# Altium PCB hoanchinh.PcbDoc (continued)
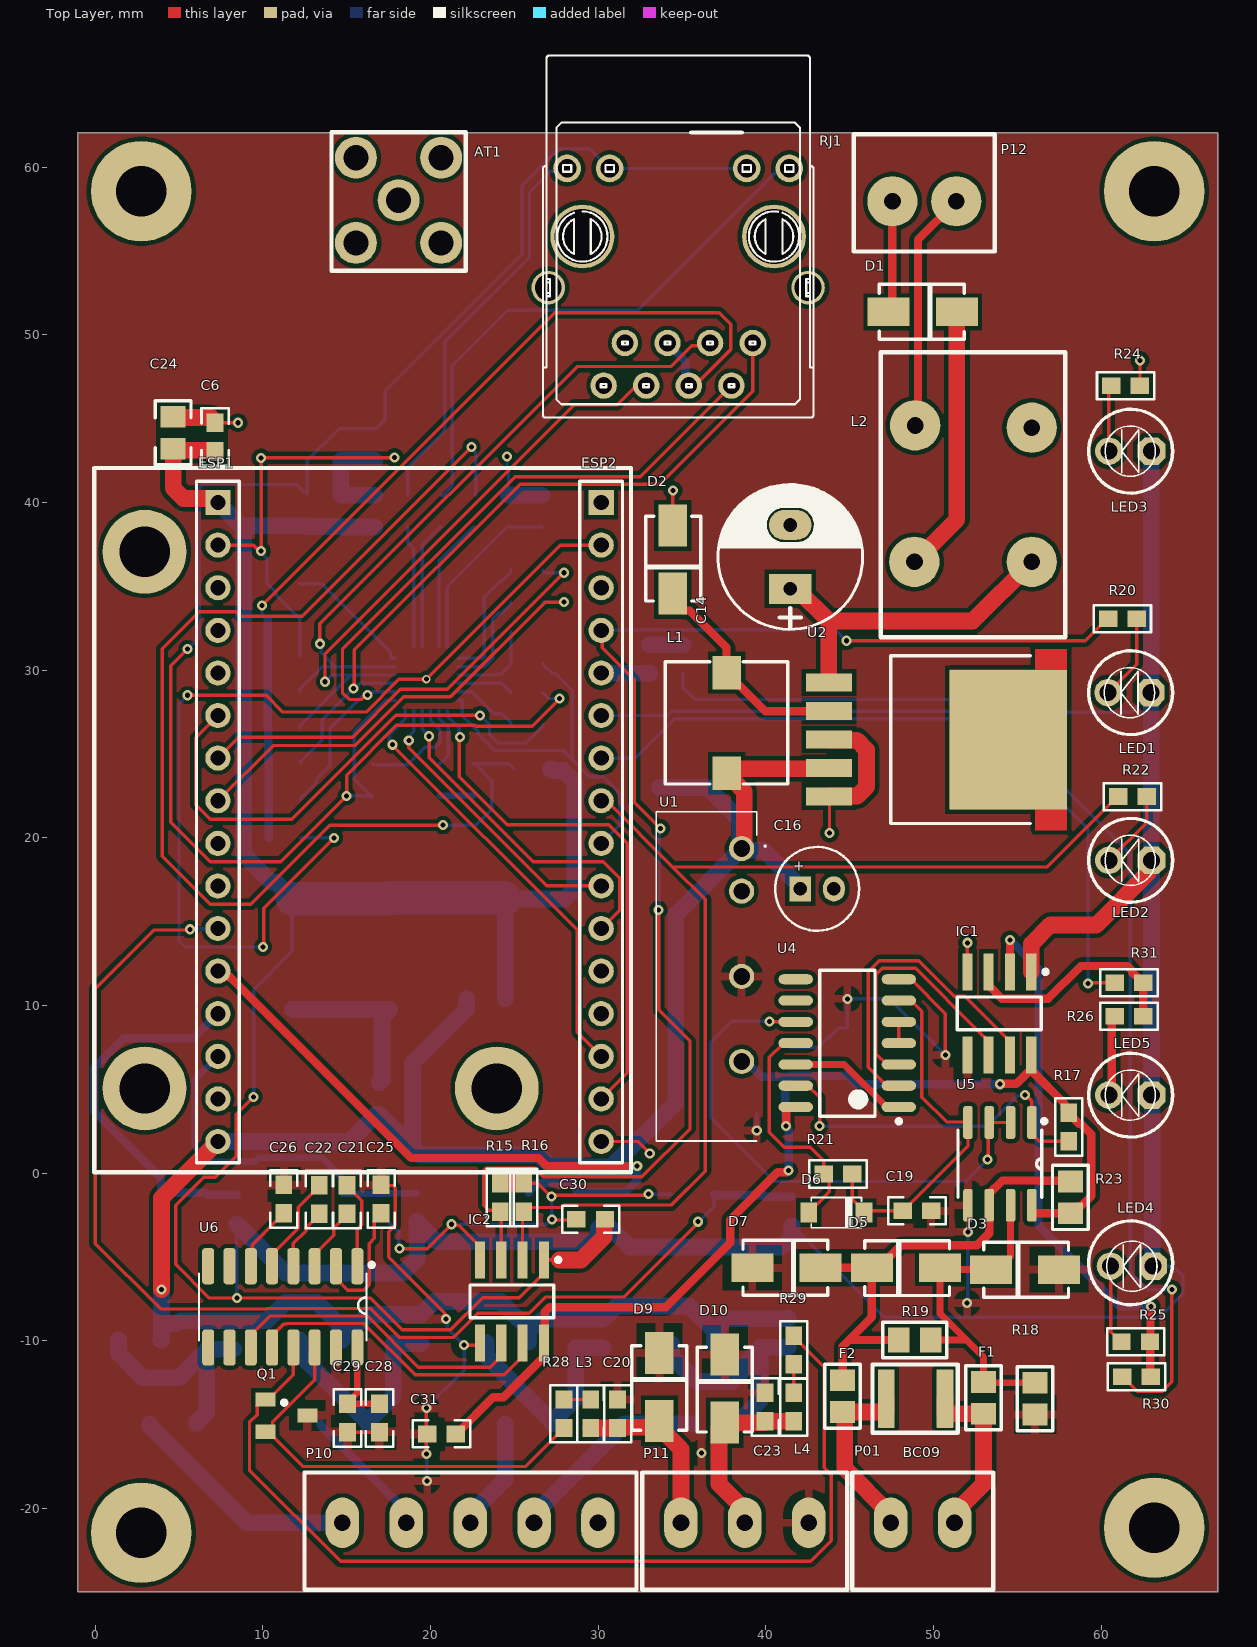
[diagram p0: Top Layer view]
## Footprints (in the part's own frame and the unit in brackets; to place one, negate y for a bottom-side part, rotate by r counter-clockwise, add the part's x,y. Pads: shape width x height; smd on the part's side, far side on the other; paste and mask are expansions set on the pad) (continued)
  rect 1.6x1.8 smd: 1(-1.4,0) 2(1.4,0)
  silkscreen extent -2.51,-1.21 2.51,1.21, body extent -1.55,-0.8 1.55,0.8, height 0.9
SOD-123 [mm] "SOD123, 2-Leads, Body 2.6x1.6mm, Pitch 3.05mm, IPC High Density"
  rect 1.2x1 smd: 1(0,-1.652) 2(0,1.652)
  silkscreen extent -0.9,-1.5 0.9,1.5, body extent -0.8,-1.85 0.8,1.85, height 1.27
SOIC14 [mm] "SOIC, 14-Leads, Body 8,64x3,87mm, Pitch 1,27mm, IPC Medium Density"
  oval 2.05x0.6 smd: 1(-3.075,3.81) 2(-3.075,2.54) 3(-3.075,1.27) 4(-3.075,0) 5(-3.075,-1.27) 6(-3.075,-2.54) 7(-3.075,-3.81) 8(3.075,-3.81) 9(3.075,-2.54) 10(3.075,-1.27) 11(3.075,0) 12(3.075,1.27) 13(3.075,2.54) 14(3.075,3.81)
  silkscreen extent -3.2,-4.35 1.65,4.78, body extent -3,-4.35 3,4.35, height 1.75
SOIC-8#1 [mm] "SOIC, 8-Leads, Body 5,0x4,0mm (max), Pitch 1,27mm, IPC Medium Density"
  rect 2.2x0.6 smd: 1(-2.475,1.905) 2(-2.475,0.635) 3(-2.475,-0.635) 4(-2.475,-1.905) 5(2.475,-1.905) 6(2.475,-0.635) 7(2.475,0.635) 8(2.475,1.905)
  silkscreen extent -2.6,-2.5 0.98,2.88, body extent -3.2,-2.5 3.2,2.5, height 1.75
SOIC-8#2 [mm] "SOIC-8"
  rrect49% 0.57x1.96 smd: 1(-1.905,-2.47) 2(-0.635,-2.47) 3(0.635,-2.47) 4(1.905,-2.47) 5(1.905,2.47) 6(0.635,2.47) 7(-0.635,2.47) 8(-1.905,2.47)
  silkscreen extent -2.77,-2.67 2.5,2, body extent -2.45,-3.08 2.45,2.92, height 1.63
SOIC-16 [mm] "Small Outline IC (SOIC), 1.27 mm pitch; 16 pin, 9.90 mm L X 4.00 mm W X 1.75 mm H body"
  rrect50% 0.72x2.16 smd: 1(-4.445,-2.425) 2(-3.175,-2.425) 3(-1.905,-2.425) 4(-0.635,-2.425) 5(0.635,-2.425) 6(1.905,-2.425) 7(3.175,-2.425) 8(4.445,-2.425) 9(4.445,2.425) 10(3.175,2.425) 11(1.905,2.425) 12(0.635,2.425) 13(-0.635,2.425) 14(-1.905,2.425) 15(-3.175,2.425) 16(-4.445,2.425)
  silkscreen extent -5.43,-2.62 4.98,2, body extent -4.95,-3 4.95,3, height 1.26
SOT23 [mm] "SOT 23 _ 1-3-2"
  rect 0.85x1.2 smd: 1(-0.94,-1.245) 2(0.985,-1.25) 3(0.005,1.25)
  silkscreen extent -0.88,-0.25 -0.64,0, body extent -1.47,-1.33 1.53,1.17, height 1.06
SOT-223-4 [mm]
  rect 1.3x2.54 smd: 1(-2.3,-3.048) 2(0,-3.048) 3(2.3,-3.048)
  rect 4.5x2.8 smd: 2(0,3.048)
  silkscreen extent -3.05,-1.42 3.05,1.3, body extent -3.25,-3.56 3.25,3.4, height 1.68
TO263-5 [mm] "LM2576-SMD"
  rect 1.07x2.75 smd: 1(-3.4,0) 2(-1.7,0) 3(0,0) 4(1.7,0) 5(3.4,0)
  rect 8.33x6.99 smd: 6(0,10.7)
  Top Layer region: -5.4,14.195 -5.4,12.295 -4.165,12.295 -4.165,7.205 4.165,7.205 4.165,12.295 5.4,12.295 5.4,14.195
  silkscreen extent -5,3.7 5,12, body extent -5,-1.29 5,14.38, height 4.79

## Part data
AT1: library part RFCON171003SF6B001, "CONNECTER ANTENNA GPS GSM", CompanyID=VT-00392, MPN=RFCON171003SF6B001, Solder=HAND
C1: library part UMK316BBJ106ML-T, "CAP CER 10uF 20% 50V X5R 1206", Category=CAPACITOR, CompanyID=VT-01137, MPN=UMK316BBJ106ML-T, PinCount=2, Solder=SMT
C2 C3 C4 C6 C7 C8 C9 C10 C11 C12 C13 C19 C20 C23 C30 C31: library part C0603C104K5RACTU, Category=CAPACITOR, CompanyID=VT-00982, MPN=C0603C104K5RACTU, PinCount=2, Solder=SMT
C5: library part CC1210KKX7R9BB105, "CAP CER 1UF 50V X7R 1210", MFR=Yageo, Category=CAPACITOR, MPN=CC1210KKX7R9BB105, PinCount=2, Solder=SMT
C14: library part CP4, "Cap 1000uF/16V - 220uF/50V", Description 1="2200uF-3300uF/6,3V - 1000uF-2200uF/10V", Description 2="1000uF/16V - 470uF => 1000uF/25V - 100uF/100V", Description 3=330uF>470uF/35V_220uF>470uF/50V_10uF>22uF/250V, Description 4="220uF => 330uF/63V - 10uF =>33uF/160 - 200V", Description 5="4,7uF>10uF/250V_3,3uF>10uF/400V - 2,2uF>4,7uF/450V"
C15: library part TPSD227K010R0050, "CAP TANT 220uF 10V 10% 2917 45mOhm ESR", Category=CAPACITOR, CompanyID=VT-00021, MPN=TPSD227K010R0050, PinCount=2, Solder=SMT
C16: library part 106CKR050M, "CAP ALUM 10uF 50V 20% RADIAL", Category=CAPACITOR, CompanyID=VT-00054, MPN=106CKR050M, PinCount=2, Solder=WAVE
C17: library part CL21B104JBCNNNC, "CAP CER 0.1uF 5% 50V X7R 0805", Category=CAPACITOR, CompanyID=VT-00725, MPN=CL21B104JBCNNNC, PinCount=2, Solder=SMT
C18 C21 C22 C25 C26 C28 C29: library part C0603C104K5RACTU, "CAP CER 0.1uF 50V 10% X7R 0603", Category=CAPACITOR, CompanyID=VT-00982, MPN=C0603C104K5RACTU, PinCount=2, Solder=SMT
C24: library part 0805C225K8PAC7800, "CAP CER 2.2uF 10% 10V X5R 0805", Category=CAPACITOR, CompanyID=VT-00292, MPN=0805C225K8PAC7800, PinCount=2, Solder=SMT
C27: library part TAJD107K016RNJ, "CAP TANT 100uF 16V 10% 2917", Category=CAPACITOR, CompanyID=VT-00022, MPN=TAJD107K016RNJ, PinCount=2, Solder=SMT
C32 C33 C34 C35 C36 C37 C38 C39 C40 C41 C42: library part "CAP CERA 0805", "CERAMIC CAP 0805"
D1: "DIODE SCHOTTKY 40V 3A SMA", MPN=SS34, Solder=SMT
D2: library part SS34, "DIODE SCHOTTKY 40V 3A SMA", MPN=SS34, Solder=SMT
D3 D5 D7: "DIODE TVS 5VWM 9.2VC SMA", CompanyID=VT-00317, MPN=SMAJ5.0A-E3/61, Solder=SMT
D6: library part 1N4148-W-7, "DIODE GEN PURP 100V 300MA SOD123", MFR="Diodes Incorporated", MPN=1N4148W-7-F, Solder=SMT
D8: library part LED_WHITE_0603
ESP1 ESP2: "Header, 16-Pin", LatestRevisionDate=17-Jul-2002, LatestRevisionNote="Re-released for DXP Platform.", Publisher="Altium Limited"
F1 F2: library part MF-RX250/72-2, CompanyID=VT-xxxx, MPN=MF-RX250/72-2, Solder=SMT
L1: library part L-SMD-1, Inductance="1.0 μH", Manufacturer="Wurth Elektronik", partNo=78477010, ComponentLink1Description=Manufacturer, ComponentLink1URL=http://www.we-online.de, ComponentLink2Description=Datasheet, ComponentLink2URL=http://katalog.we-online.de/pbs/datasheet/78477010.pdf, Created by="Baojun Chen", Created Date=Nov.2015
L2: library part DLW5BSN102SQ2L, "IND- CMC 1.5A 2LN 1 KOHM SMD", Category=INDUCTOR, CompanyID=VT-00918, MPN=DLW5BSN102SQ2L, Solder=SMT
L3 L4: library part LQM18PN2R2MFHD, "FIXED IND 2.2UH 700MA 375 MOHM", MFR="Murata Electronics", Category=INDUCTOR, MPN=LQM18PN2R2MFHD, Solder=SMT
L5: library part 742792042, "IND-FERRITE BEAD 600 OHM 1LN 0805", Category="FERRITE BEAD", CompanyID=VT-01115, MPN=742792042, PinCount=2, Solder=SMT
LED1 LED2 LED3 LED4 LED5: "LED Single colour Green and Red"
OK1 OK2 OK3 OK4: library part HCPL-817-500E, "OPTOISOLATOR 5KV TRANSISTOR 4SMD", CompanyID=VT-00147, MPN=HCPL-817-500E, Solder=SMT
R1 R4 R7 R8 R15 R16 R17 R21 R28 R29: library part RC0603FR-074K7L, "RES SMD 4.7K OHM 1% 1/10W 0603", Category=RESISTOR, CompanyID=VT-00327, MPN=RC0603FR-074K7L, Solder=SMT
R2 R5 R9 R10 R20 R22 R24 R25 R26 R27: library part RC0603FR-0710KL, "RES SMD 10K OHM 1% 1/10W 0603", Category=RESISTOR, CompanyID=VT-00328, MPN=RC0603FR-0710KL, Solder=SMT
R3 R6 R11 R12: library part RC1206JR-070RL, "RES SMD 0.0 OHM JUMPER 1/4W 1206", Category=RESISTOR, CompanyID=VT-01082, MPN=RC1206JR-070RL, Solder=SMT
R18 R19 R23: library part RC0805FR-0710KL, "RES SMD 10K OHM 1% 1/8W 0805", Category=RESISTOR, CompanyID=VT-00007, MPN=RC0805FR-0710KL, Solder=SMT
R30 R31: library part CRCW060320R0FKEA, "RES SMD 20 OHM 1% 1/10W 0603", Category=RESISTOR, CompanyID=VT-01023, MPN=CRCW060320R0FKEA, Solder=SMT
R32 R33 R34 R35 R36 R37 R40 R41 R42 R43 R44 R45 R46 R47 R48 R49: library part RES-0805, "RES SMD 249K OHM 1% 1/10W 0805", Manufacturer=Yageo, Manufacturer Part Number=RC0603FR-07249KL, Operating Temperature="-55°C ~ 155°C", Package / Case="0603 (1608 Metric)", Power (Watts)="0.1W, 1/10W", Supplier Device Package=0603, Temperature Coefficient=±100ppm/°C, Tolerance=±1%, Category=Resistors, ComponentLink1Description=http://www.yageo.com/documents/recent/PYu-RC_Group_51_RoHS_L_8.pdf, ComponentLink1URL=http://www.yageo.com/documents/recent/PYu-RC_Group_51_RoHS_L_8.pdf, Composition="Thick Film", Failure Rate=-, Features="Moisture Resistant", Height - Seated (Max)="0.022\" (0.55mm)", Packaging="Cut Tape (CT)", Part Status=Active, Pricing 1="1=0.1, 10=0.015, 100=0.006, 1000=0.00268, 2500=0.00233 (USD)", RoHS="RoHS Compliant", Size / Dimension="0.063\" L x 0.032\" W (1.60mm x 0.80mm)", Stock 1=370515, Supplier 1=Digi-Key
RJ1: library part RJ45_2
U2: "SIMPLE SWITCHER Power Converter 150 KHz 3A Step-Down Voltage Regulator", MPN=LM2596SX-ADJ/NOPB, Category=IC, Solder=SMT
U3: library part TLV1117LV5.0, "IC REG LINEAR 5V 800MA SOT223-4", MFR="Texas Instruments", MPN=TLV1117-50CDCYR, Category=IC, Solder=SMT
U4: "IC, M74HC04M, Hex Inverter, SO-14", Text Field1=ST, Text Field2=M74HC04M1R, Text Field3=Mouser, Text Field4=511-M74HC04M, Text Field5=SO-14, Text Field6=.22
U5: library part MAX485CSA, "Low-Power, Slew-Rate-Limited RS-485/RS-422 Transceiver", MPN=MAX3485ESA, Category=IC, Solder=SMT
U6: library part "MAX3232CDRE4, MAX3232CDR", "IC DRVR/RCVR MULTCH RS232 16SOIC", Category=IC, MPN="MAX3232CDRE4, MAX3232CDR", Solder=SMT
Y1: library part AU-25.000MBE-T, "XTAL OSC XO 25.0000MHZ CMOS SMD", Category=CRYSTAL, MPN=AU-25.000MBE-T, PinCount=4, Solder=SMT

## Free pads (board coordinates)
  round 6 hole 3: ""(2.75,-21.445) ""(2.75,58.555) ""(63.15,-21.145) ""(63.15,58.555)
  round 5 hole 3: ""(2.95,5.055) ""(2.95,37.055) ""(23.95,5.055)

## Via types
v1: diameter 0.6, hole 0.3, Top Layer to Bottom Layer, 66 vias
v2: diameter 0.5, hole 0.3, Top Layer to Bottom Layer, 1 vias

## Nets (pads, with @x,y where several pads share a name; then routed paths per layer and width w, separated by ;. In a path a pad name is that pad's centre, name@x,y a point inside that pad or via, vN(x,y) a via of type N, cw(c..) or ccw(c..) an arc to the next point about the centre after c; other vN are vias at no path point)
AVDD: C35.1 C36.1 L5.1 R40.1 R43.2 RJ1.9 RJ1.12 U7.19 | length 106.3
  Top Layer w0.2: v1(5.5,31.25) 4.5,30.25 4.5,20.93 6.86,18.57 11.07,18.57 v1(15,22.5) 15,23.743 17.963,26.705 22.631,26.705 22.681,26.655 26.05,26.655 v1(27.7,28.305)
  Bottom Layer w0.2: v1(5.5,31.25) 6.197,31.947 6.197,40.051 6.215,40.07 6.215,40.885 6.42,41.09 8.21,41.09 12,41.055 L5.1 12.65,42.505 14.55,44.405 C36.1 C35.1 16.75,44.405 17.3,44.955 17.3,46.655 25.45,54.805 25.45,58.887 27.654,61.09 29.505,61.09 RJ1.12 RJ1.9 ; v1(15,22.5) 16.455,22.5 16.5,22.455 15.45,23.505 15.45,26.34 17.318,28.207 U7.19 ; R43.2 27.05,28.305 v1(27.7,28.305)
Door1_Sensor: C9.2 ESP1.12 OK2.4 R4.1 | length 38
  Top Layer w0.5: ESP1.12 7.586,12.05 7.954,11.682 8.068,11.682 18.845,0.905 26.444,0.905 26.917,0.432 v1(32.323,0.432)
  Bottom Layer w0.5: OK2.4 25.857,-1.057 26.319,-0.595 28.3,-0.595 28.75,-1.045 C9.2 28.8,-1.145 31.6,-1.145 32.304,-0.441 32.304,0.413 v1(32.323,0.432)
Door2_Sensor: C12.2 ESP1.11 OK3.4 R7.1 | length 71.9
  Top Layer w0.2: v1(5.65,14.545) 5.605,14.5 3.5,14.5 0,11 0,-4.197 3.898,-8.095 10.224,-8.095 10.254,-8.065 16.403,-8.065 18.133,-9.795 21.375,-9.795 22.808,-8.362 25.873,-8.362 26.85,-7.386 31.509,-7.386 35.95,-2.945 v1(35.95,-2.895)
  Bottom Layer w0.2: v1(5.65,14.545) 5.673,14.568 7.293,14.568 ESP1.11 ; v1(35.95,-2.895) 35.985,-2.895 36.917,-1.962 OK3.4
  Bottom Layer w0.5: OK3.4 36.991,-1.321 39.876,-1.321 C12.2 R7.1
GND: C1.1 C2.1 C4.1 C6.2 C9.1 C12.1 C13.1 C14.2 C15.2 C16.2 C17.2 C24.1 C27.2 C30.2 C32.2 C33.2 C34.2 C35.2 C36.2 C37.2 C38.2 C39.2 C40.2 C41.2 C42.2 D2.1 ESP1.2 ESP2.2 ESP2.16 IC1.4 IC2.4 L2.3 OK1.3 OK2.3 OK3.3 OK4.3 P10.1 R15.1 R16.1 R24.2 R49.1 RJ1.8 U1.2 U2.3 U2.5 U3.1 U7.@19.75,29.455 Y1.2 | length 156.9
  Top Layer w0.2: v1(5.5,28.5) 10.192,28.5 11.192,27.5 16.154,27.5 18.111,29.457 v2(19.749,29.457) 27.742,37.45 ESP2.2 ; C6.2 8.505,44.755 v1(8.51,44.75) ; ESP1.2 9.442,37.45 9.792,37.1 v1(9.9,37.1) v1(9.9,42.65) 9.909,42.659 17.835,42.659 v1(17.843,42.667) ; v1(10.01,13.49) 10.059,13.539 10.059,15.809 v1(14.25,20) ; v1(18.15,-4.5) 19.795,-4.5 v1(21.25,-3.045) 21.327,-3.121 21.697,-3.121 22.945,-4.37 IC2.4 ; R16.1 26.404,-0.595 v1(27.204,-1.395) 27.279,-1.32 32.927,-1.32 v1(33,-1.247) ; v1(27.25,-2.75) 27.295,-2.795 28.65,-2.795 C30.2 ; ESP2.16 32.36,1.89 v1(33.071,1.179) ; D2.1 v1(34.45,40.7) ; v1(43.785,20.285) U2.5@43.785,22.49 ; IC1.4 v1(52.01,13.74) ; R24.2 v1(62.3,48.45)
  Top Layer w1: C24.1 4.795,45.25 4.795,45.16 4.9,45.055 6.9,45.055 7.15,44.805 C6.2 ; R15.1 R16.1 ; U2.3 43.785,25.82 45.414,25.82 46,25.234 46,23.041 45.449,22.49 U2.5@43.785,22.49
  Bottom Layer w0.2: v1(5.5,28.5) 5,28 5,13.831 5.341,13.49 v1(10.01,13.49) ; v1(9.9,37.1) 9.9,36.991 10.25,36.641 R49.1 10.8,34.605 10.8,34.455 12.2,33.055 C32.2 C33.2 ; C34.2 12.295,20 v1(14.25,20) ; C35.2 16.812,42.667 v1(17.843,42.667) ; C17.2 C17.2@16.95,5.405 ; C13.1 17.524,-2.977 17.924,-3.377 17.974,-3.377 18.1,-3.503 18.1,-4.45 v1(18.15,-4.5) ; v1(21.25,-3.045) 26.933,-3.045 27.228,-2.75 v1(27.25,-2.75) ; v1(24.561,42.73) 24.561,42.115 24.645,42.03 C39.2 ; v1(27.204,-1.395) 27.227,-1.418 27.227,-2.727 v1(27.25,-2.75) ; C9.1 27.295,-2.795 v1(27.25,-2.75) ; v1(33,-1.247) OK3.3
  Bottom Layer w1: C27.2 C15.2 17.1,9.305 17.1,5.555 C17.2@16.95,5.405 ; C41.2 C42.2 C36.2 C35.2 ; C39.2 C38.2
GND_ISO: C5.2 C7.1 C18.2 C19.2 C20.1 C23.2 C25.1 C26.2 C28.1 C29.1 C31.1 D3.1 D7.1 D9.2 D10.2 IC1.5 IC2.5 P11.1 Q1.3 R18.2 U1.4 U4.7 U5.5 U6.15 | length 50.1
  Top Layer w0.2: C26.2 C26.2@11.25,-0.645 ; C29.1 C28.1 ; C25.1 17.089,-0.733 17.733,-0.733 17.9,-0.9 17.9,-3.09 17.5,-3.49 17.5,-5 20.843,-8.343 20.843,-8.618 v1(20.92,-8.695) ; v1(19.75,-16.75) 19.75,-15.595 C31.1 19.75,-15.495 v1(19.75,-14) ; v1(22,-10.25) 22.815,-10.25 IC2.5 ; U4.7 48.65,11.565 50.7,9.515 v1(50.7,7.055) ; v1(52.045,-3.495) U5.5
  Bottom Layer w0.2: v1(19.75,-16.75) 19.775,-16.775 19.775,-18.32 v1(19.8,-18.345) ; v1(19.75,-14) 22,-11.75 v1(22,-10.25) 20.996,-9.246 20.996,-8.771 v1(20.92,-8.695) ; v1(39.45,2.555) C7.1 ; C18.2 43.15,7.505 44.3,8.655 C5.2 v1(44.85,10.4) 47.356,10.4 v1(50.7,7.055) ; v1(52,-7.75) 52.023,-7.727 52.023,-3.518 v1(52.045,-3.495)
  other v1: 36.15,-16.695
HSPI_CLK: ESP1.5
HSPI_CS: ESP2.3
HSPI_MISO: ESP1.4
HSPI_MOSI: ESP1.3
I2C_SCL: ESP1.10
I2C_SDA: ESP1.9
IO16: ESP2.6 R30.1 | length 72.1
  Top Layer w0.2: R30.1 61.3,-12.145 62.15,-12.995 63.645,-12.995 64.2,-12.44 v1(64.2,-6.945)
  Bottom Layer w0.2: ESP2.6 34.104,27.29 34.369,27.555 53.213,27.555 61.726,19.042 61.726,-5.914 62.757,-6.945 v1(64.2,-6.945)
IO17: ESP2.7 R31.1 | length 43.6
  Top Layer w0.2: v1(59.2,11.305) 59.25,11.355 R31.1
  Bottom Layer w0.2: ESP2.7 32.2,24.75 34.555,27.105 52.645,27.105 59.2,20.55 v1(59.2,11.305)
IR_Sensor: C4.2 ESP1.13 OK1.4 R1.1 | length 22.7
  Bottom Layer w0.5: ESP1.13 5.86,8.055 1.708,8.055 -0.05,6.298 -0.05,3.691 3.926,-0.285 OK1.4 4.222,-1.331 4.336,-1.445 4.336,-1.217 4.388,-1.165 6.62,-1.165 C4.2 R1.1
Keycard_Input: C13.2 ESP1.14 OK4.4 R8.1 | length 21.2
  Bottom Layer w0.4: ESP1.14 5.95,5.605 5.95,1.55 6.81,0.69 9.545,0.69 9.773,0.919 13.53,0.919 14.73,-0.281 OK4.4 ; OK4.4@14.73,-1.227 OK4.4 ; R8.1 19.15,-1.202 17.55,-1.202 C13.2 14.926,-1.227 OK4.4
LAN_CRS_DV: ESP1.6 R44.2 | length 31
  Top Layer w0.2: ESP1.6 6,25.975 6,21.97 6.86,21.11 11.731,21.11 17.926,27.305 v1(22.95,27.305)
  Bottom Layer w0.2: v1(22.95,27.305) 23.516,26.739 23.516,26.144 24.005,25.655 25.7,25.655 26.7,26.655 R44.2
LAN_MDC: ESP2.15 U7.13 | length 31.8
  Top Layer w0.2: v1(21.75,26) 21.7,25.95 21.7,23.636 24.566,20.77 30.631,20.77 31.725,19.676 31.725,5.98 ESP2.15
  Bottom Layer w0.2: U7.13 20.999,27.251 21.718,26.532 21.718,26.032 v1(21.75,26)
LAN_MDIO: ESP2.9 R47.2 U7.12 | length 22.6
  Bottom Layer w0.2: U7.12 21.886,28.207 21.886,27.288 22.853,26.322 22.853,26.171 23.819,25.205 27.913,25.205 28.457,24.662 ; R47.2 26.7,30.355 27.25,29.805 27.445,29.805 28.457,28.794 28.457,24.662 ; ESP2.9 31.275,20.77 31.275,22.666 30.291,23.65 29.468,23.65 28.457,24.662
LAN_RXD0: ESP1.8 R42.2 | length 26.8
  Top Layer w0.2: ESP1.8 10.605,25.5 15.485,25.5 18.392,28.407 21.189,28.407 26.837,34.055 v1(27.95,34.055)
  Bottom Layer w0.2: R42.2 v1(27.95,34.055)
LAN_RXD1: ESP1.7 R41.2 | length 26.5
  Top Layer w0.2: ESP1.7 8.565,26 15.348,26 18.205,28.857 21.002,28.857 v1(27.95,35.805)
  Bottom Layer w0.2: R41.2 26.85,35.805 v1(27.95,35.805)
LAN_TX_EN: ESP2.11 U7.16 | length 20.8
  Top Layer w0.2: v1(19.918,26.055) 19.918,24.782 26.13,18.57 30.291,18.57 31.275,17.586 31.275,15.69 ESP2.11
  Bottom Layer w0.2: U7.16 19.499,26.485 19.918,26.066 v1(19.918,26.055)
LAN_TXD0: ESP2.10 U7.17 | length 17.2
  Top Layer w0.2: v1(18.7,25.805) 18.704,25.802 18.704,25.36 26.933,17.13 ESP2.10
  Bottom Layer w0.2: v1(18.7,25.805) 18.777,25.882 18.777,26.127 18.999,26.349 U7.17
LAN_TXD1: ESP2.14 U7.18 | length 26.3
  Top Layer w0.2: v1(17.727,25.55) 17.727,25.529 28.75,14.505 28.75,8.395 ESP2.14
  Bottom Layer w0.2: v1(17.727,25.55) 17.705,25.55 17.534,25.721 17.534,25.874 17.527,25.882 17.527,26.132 18.2,26.805 18.499,27.104 U7.18
"LED A": R36.1 U7.2 | length 7.3
  Bottom Layer w0.2: R36.1 18.648,37.607 18.999,37.257 U7.2
"LED B": R37.1 U7.3 | length 7.7
  Bottom Layer w0.2: U7.3 19.499,37.482 20.547,38.53 R37.1
LED_IND: ESP2.5 R27.2 | length 2.9
  Bottom Layer w1: ESP2.5 30.188,29.818 33.05,29.818 R27.2
NetC3_1: C3.1 OK1.2 R2.1 R3.2 | length 13.6
  Bottom Layer w1: OK1.2 1.386,-10.726 2.866,-12.205 5.001,-12.205 R2.1@6.659,-10.547 ; R3.2 6.05,-14.845 6.659,-14.236 R2.1@6.659,-10.547 ; C3.1 R2.1 R2.1@6.659,-10.547
NetC8_1: C8.1 OK2.2 R5.1 R6.2 | length 13.2
  Bottom Layer w1: OK2.2 23.317,-10.912 R6.2@27.25,-14.845 ; R6.2 R6.2@27.25,-14.845 ; C8.1 R5.1 28.651,-13.444 R6.2@27.25,-14.845
NetC10_1: C10.1 OK3.2 R9.1 R11.2 | length 14.5
  Bottom Layer w1: OK3.2 34.377,-10.938 35.857,-12.417 37.978,-12.417 38.685,-11.71 38.685,-11.412 R9.1@39.665,-10.432 ; R11.2 38.35,-14.845 39.665,-13.53 R9.1@39.665,-10.432 ; C10.1 41.316,-10.382 R9.1 R9.1@39.665,-10.432
NetC11_1: C11.1 OK4.2 R10.1 R12.2 | length 13.7
  Bottom Layer w1: OK4.2 12.19,-10.785 R12.2@16.25,-14.845 ; R12.2 R12.2@16.25,-14.845 ; R10.1 R10.1@17.778,-10.166 ; C11.1 R10.1@17.778,-10.166 ; R12.2@16.25,-14.845 17.778,-13.317 R10.1@17.778,-10.166
NetC19_1: C19.1 D6.2 R21.1 U4.6 U5.4 | length 22
  Top Layer w0.2: R21.1 45.15,-1.545 45.85,-2.245 D6.2 45.95,-2.245 C19.1 48.2,-2.245 52.045,1.6 U5.4 52.015,3.055 50.781,3.055 49.3,4.536 49.3,9.645 48.65,10.295 U4.6
NetC21_1: C21.1 U6.3 | length 3.9
  Top Layer w0.2: U6.3 13.09,-4.825 14.217,-3.698 14.217,-3.273 15.018,-2.472 C21.1
NetC21_2: C21.2 U6.1 | length 5.3
  Top Layer w0.2: C21.2 15.018,-0.772 15.9,-1.654 15.9,-3.085 15.63,-3.355 U6.1
NetC22_1: C22.1 U6.4 | length 3.8
  Top Layer w0.2: U6.4 11.82,-4.191 12.55,-3.461 12.55,-3.289 13.367,-2.472 C22.1
NetC22_2: C22.2 U6.5 | length 6
  Top Layer w0.2: U6.5 10.55,-4.825 12.1,-3.275 12.1,-2.039 13.367,-0.772 C22.2
NetC25_2: C25.2 U6.2 | length 7.7
  Top Layer w0.2: U6.2 14.36,-6.265 15.07,-6.975 16.03,-6.975 16.34,-6.664 16.34,-4.199 16.65,-3.889 16.65,-2.795 C25.2
NetC26_1: C26.1 U6.6 | length 4
  Top Layer w0.2: U6.6 9.363,-5.462 9.363,-4.282 10.8,-2.845 10.85,-2.845 11.25,-2.445 C26.1
NetC28_2: C28.2 C29.2 U6.16 | length 5.5
  Top Layer w0.4: U6.16 15.63,-13.115 15.05,-13.695 C29.2 C28.2
NetC32_1: C32.1 C33.1 C34.1 R32.2 R33.2 R34.2 R35.2 RJ1.4 RJ1.5 | length 57.5
  Top Layer w0.2: v1(9.95,33.855) 27.4,51.305 37.2,51.305 37.892,50.614 37.892,49.118 35.739,46.965 RJ1.4
  Bottom Layer w0.2: v1(9.95,33.855) 9.95,33.305 C32.1
  Bottom Layer w0.5: C32.1 C33.1 R32.2 R33.2 10.325,26.53 10.325,24.48 R34.2 R35.2 C34.1 ; RJ1.5 34.13,49.46 35.195,48.395 35.195,47.171 RJ1.4
NetC38_1: C38.1 C39.1 U7.6 | length 10.8
  Bottom Layer w0.2: U7.6 20.999,34.984 24.545,38.53 C39.1 C38.1
NetC40_1: C40.1 R47.1 U7.9 | length 5.3
  Bottom Layer w0.2: U7.9 23.957,29.707 24.005,29.755 24.2,29.755 24.8,30.355 R47.1 C40.1
NetD2_2: D2.2 L1.1 U2.2 | length 13.4
  Top Layer w0.5: D2.2 34.45,34.155 35.05,33.555 35.45,33.555 37.65,31.355 L1.1 37.65,29.705 38.25,29.105 38.4,29.105 39.95,27.555 U2.2
NetD3_2: D3.2 D5.1 F1.1 R18.1 R19.2 U5.7 | length 20.7
  Top Layer w0.4: R19.2 51.95,-9.945 ; U5.7 54.585,-4.977 53.818,-5.745 D3.2 50.483,-5.745 D5.1 50.383,-8.377 51.95,-9.945 ; R18.1 53.023,-12.495 F1.1 52.973,-10.967 51.95,-9.945
NetD5_2: D5.2 D7.2 F2.1 R19.1 R23.2 U5.6 | length 28.9
  Top Layer w0.5: D7.2 D5.2 ; F2.1 44.573,-10.322 44.95,-9.945 ; R19.1 44.95,-9.945 ; R23.2 58.1,-0.445 56.276,-0.445 56.266,-0.435 54.1,-0.435 53.315,-1.22 U5.6 53.315,-3.58 52.6,-4.295 48.068,-4.295 46.718,-5.645 D5.2 ; 44.95,-9.945 46.318,-8.577 D5.2
NetD6_1: D6.1 R21.2 U4.11 | length 14.1
  Top Layer w0.2: U4.11 41.05,7.755 40.2,6.905 40.2,2.442 41.087,1.555 42.65,1.555 43.45,0.755 R21.2 43.772,-0.367 43.772,-1.119 43.046,-1.845 42.946,-1.845 42.546,-2.245 D6.1
NetD8_2: D8.2 R27.1 | length 2
  Bottom Layer w1: R27.1 D8.2
NetL3_1: L3.1 R28.2 | length 1.6
  Top Layer w0.2: R28.2 L3.1
NetL4_1: L4.1 R29.2 | length 1.7
  Top Layer w0.2: L4.1 R29.2
NetLED1_2: LED1.2 R20.1 | length 5.1
  Top Layer w0.2: LED1.2 62.1,30.348 R20.1
NetLED2_2: LED2.2 R22.1 | length 4.7
  Top Layer w0.2: LED2.2 62.7,20.905 R22.1
NetLED3_2: LED3.2 R24.1 | length 4
  Top Layer w0.2: LED3.2 60.45,46.805 R24.1
NetLED4_2: LED4.2 R25.1 | length 4.8
  Top Layer w0.2: LED4.2 60.55,-9.445 61.15,-10.045 R25.1
NetLED5_2: LED5.2 R26.1 | length 4.8
  Top Layer w0.5: LED5.2 60.625,4.83 60.625,9.18 R26.1
NetQ1_1: Q1.1 R29.1 U6.13 | length 59.2
  Top Layer w0.2: U6.13 11.82,-12.01 10.331,-13.5 Q1.1 9.981,-13.5 9.656,-13.825 9.656,-14.4 9.2,-14.855 9.2,-17.714 14.631,-23.145 42.66,-23.145 43.9,-21.904 43.9,-18.007 43.473,-17.58 43.473,-11.567 41.65,-9.745 R29.1
NetQ1_2: Q1.2 R28.1 U6.14 | length 25.8
  Top Layer w0.2: Q1.2 Q1.2@10.325,-15.425 ; U6.14 13.09,-12.305 10.578,-14.817 10.578,-15.173 Q1.2@10.325,-15.425 ; R28.1 27.95,-15.245 27.55,-15.645 27.5,-15.645 25.65,-17.495 12.395,-17.495 Q1.2@10.325,-15.425
NetR17_1: R17.1 U4.13 U5.1 | length 21.3
  Top Layer w0.2: U4.13 42.5,5.215 43.2,4.515 v1(43.2,2.805) ; v1(55.45,4.658) 55.503,4.658 55.855,4.305 U5.1 55.855,2.352 56.302,1.905 R17.1
  Bottom Layer w0.2: v1(43.2,2.805) 53.2,2.805 55.027,4.632 55.425,4.632 v1(55.45,4.658)
NetR36_2: R36.2 RJ1.11 | length 23.9
  Bottom Layer w0.2: R36.2 18.648,42.084 20.847,44.283 20.847,49.566 25.9,54.619 25.9,58.505 27.133,59.737 27.963,59.737 RJ1.11
NetR37_2: R37.2 RJ1.10 | length 33
  Bottom Layer w0.2: R37.2 20.747,40.43 21.297,40.98 21.297,48.152 24.6,51.455 32.35,51.455 40.533,59.638 41.113,59.638 RJ1.10
NetR41_1: R41.1 U7.7 | length 7.5
  Bottom Layer w0.2: U7.7 23.083,30.707 23.2,30.824 23.2,34.35 24.155,35.305 24.25,35.305 24.8,35.855 R41.1
NetR42_1: R42.1 U7.8 | length 6.2
  Bottom Layer w0.2: U7.8 23.22,30.207 23.7,30.688 23.7,33.05 24.055,33.405 24.25,33.405 24.8,33.955 R42.1
NetR44_1: R44.1 U7.11 | length 4
  Bottom Layer w0.2: U7.11 22.468,28.707 23.77,27.405 24.25,27.405 24.8,26.855 R44.1
NetR46_1: R46.1 R48.2 Y1.3 | length 67.9
  Top Layer w0.2: v1(20.75,20.75) 14,20.75 9.28,16.03 6.86,16.03 4,18.89 4,31.274 6.196,33.47 8.407,33.47 8.672,33.205 12.35,33.205 v1(22.45,43.305)
  Bottom Layer w0.2: v1(20.75,20.75) 22.69,20.75 23.65,21.71 23.65,23.405 R46.1@22.65,24.405 ; v1(22.45,43.305) 22.45,43.197 22.7,42.947 22.7,40.484 R48.2 ; R46.1 R46.1@22.65,24.405 ; Y1.3 24.65,24.405 R46.1@22.65,24.405
NetR48_1: R48.1 U7.5 | length 8.1
  Bottom Layer w0.2: U7.5 20.499,36.483 22.546,38.53 R48.1
NetR49_2: R49.2 U7.24 | length 7.8
  Bottom Layer w0.2: R49.2 13.52,35.155 17.611,31.063 17.611,30.707 U7.24
NetU4_10: U4.10 U5.2 U5.3 | length 32.3
  Top Layer w0.2: v1(40.2,9.055) 40.23,9.025 U4.10 ; v1(53.2,0.805) 53.258,0.863 53.258,2.968 U5.3 U5.2
  Bottom Layer w0.2: v1(40.2,9.055) 37.95,9.055 36.7,7.805 36.7,3.305 40.5,-0.495 51.9,-0.495 v1(53.2,0.805)
nRST: C37.1 R40.2 U7.15 | length 6.7
  Bottom Layer w0.2: R40.2 16.6,24.355 18.65,24.355 19.45,25.155 19.45,25.2 19.655,25.405 20.285,25.405 20.568,25.688 20.568,26.41 19.999,26.978 U7.15
R_RXCLK: R45. R46.2 | length 2
  Bottom Layer w0.4: R45. R46.2
REFCLKO: R45.1 U7.14 | length 3.6
  Bottom Layer w0.2: U7.14 20.499,27.115 21.05,26.563 21.05,24.905 R45.1
RS485_RX2: U4.1 U4.12 | length 7.2
  Top Layer w0.4: U4.12 44.66,6.485 47.2,3.945 U4.1
RS485_TX2: U4.4 U4.5 | length 1.3
  Top Layer w0.2: U4.4 U4.5
RX: ESP2.8 IC2.2 R16.2 R22.2 | length 67.9
  Top Layer w0.2: IC2.2 25.485,-2.36 25.8,-2.045 27.855,-2.045 28.005,-1.895 31.095,-1.895 31.097,-1.897 34.353,-1.897 36.373,0.123 36.373,16.332 34.45,18.255 ; ESP2.8 30.495,22.21 34.45,18.255 ; R22.2 60.95,22.455 56.75,18.255 34.45,18.255
RXER: R43.1 U7.10 | length 3.4
  Bottom Layer w0.2: U7.10 24.25,29.207 24.8,28.657 R43.1
TPIN+: R32.1 RJ1.3 U7.23 | length 39.4
  Top Layer w0.2: v1(13.4,31.57) 13.4,32.755 28.748,48.103 34.336,48.103 35.583,49.349 36.514,49.349 RJ1.3
  Bottom Layer w0.2: R32.1 12.2,28.855 13.552,30.207 14.298,30.207 ; v1(13.4,31.57) 13.477,31.493 13.477,31.029 14.298,30.207 ; U7.23 14.298,30.207
TPIN-: R33.1 RJ1.6 U7.22 | length 36.2
  Top Layer w0.2: v1(13.7,29.305) 13.704,29.308 13.704,30.954 28.578,45.828 31.122,45.828 32.259,46.965 RJ1.6
  Bottom Layer w0.2: R33.1 12.2,26.655 15.195,29.65 15.295,29.65 ; v1(13.7,29.305) 14.102,29.707 15.231,29.707 15.352,29.707 16.378,29.707 16.38,29.705 17.406,29.705 17.408,29.707 U7.22
TPOUT+: R34.1 RJ1.1 U7.21 | length 43.7
  Top Layer w0.2: v1(15.396,28.916) 15.45,28.97 15.45,31.2 25.34,41.09 33.674,41.09 39.21,46.627 RJ1.1
  Bottom Layer w0.2: R34.1 12.25,24.555 13.55,25.855 13.55,27.05 15.396,28.896 v1(15.396,28.916) ; v1@15.406,28.906 15.5,29 15.608,29 15.815,29.207 U7.21@17.851,29.207
TPOUT-: R35.1 RJ1.2 U7.20 | length 43.8
  Top Layer w0.2: v1(16.242,28.508) 16.155,28.508 15.897,28.25 15.143,28.25 14.746,28.646 14.746,31.246 25.04,41.54 32.515,41.54 RJ1.2
  Bottom Layer w0.2: R35.1 12.25,22.355 13.2,23.305 13.2,23.51 14,24.31 14,26.5 15.931,28.431 16.166,28.431 v1(16.242,28.508) ; v1@16.25,28.5 16.358,28.5 16.565,28.707 U7.20
TX: ESP2.4 IC2.3 R15.2 R20.2 | length 82.7
  Top Layer w0.2: R15.2 24.073,-2.218 23.468,-2.218 23.172,-1.922 23.172,0.188 23.289,0.305 26.195,0.305 26.718,-0.218 32.596,-0.218 35.473,2.659 35.473,7.868 33.6,9.741 v1(33.6,15.705) ; IC2.3 R15.2@24.215,-2.492 ; ESP2.4 30.241,32.304 30.241,31.32 32.14,29.421 32.14,22.116 v1(33.7,20.555) ; v1(44.8,31.75) 59.045,31.75 60.35,33.055 R20.2
  Bottom Layer w0.2: ESP2.4 32.37,32.37 32.405,32.405 44.145,32.405 v1(44.8,31.75) ; v1(33.6,15.705) 33.65,15.755 33.65,20.505 v1(33.7,20.555)
UART_RX0: ESP2.12
UART_RX0_ISO: IC2.7 U6.12 | length 18.5
  Top Layer w0.2: U6.12 10.55,-9.675 11.23,-8.995 11.391,-8.995 11.421,-8.965 16.03,-8.965 19.085,-12.02 24.385,-12.02 25.485,-10.92 IC2.7
UART_RX2: IC1.2 R25.2 R30.2 | length 32.5
  Top Layer w0.5: IC1.2 v1(54.55,13.905) ; R30.2 62.925,-12.12 62.925,-10.07 62.931,-10.064 62.931,-7.964 v1(62.95,-7.945)
  Bottom Layer w0.5: v1(54.55,13.905) 56.25,12.205 56.25,-3.119 61.076,-7.945 v1(62.95,-7.945)
UART_RX2_ISO: IC1.7 U4.2 | length 19.5
  Top Layer w0.2: U4.2 47.2,5.215 46.1,6.315 46.1,12.021 46.745,12.665 49.106,12.665 51.216,10.555 51.85,10.555 54.55,7.855 IC1.7
UART_TX0: ESP2.13
UART_TX0_ISO: IC2.6 U6.11 | length 18.5
  Top Layer w0.2: U6.11 9.28,-9.675 10.44,-8.515 16.216,-8.515 19.271,-11.57 23.565,-11.57 24.215,-10.92 IC2.6
UART_TX2: IC1.3 R26.2 R31.2 | length 13.7
  Top Layer w0.5: IC1.3 53.28,11.205 53.69,10.796 53.69,10.759 54.043,10.405 56.825,10.405 58.775,12.355 61.557,12.355 61.85,12.062 61.85,11.955 62.45,11.355 R31.2 R26.2
UART_TX2_ISO: IC1.6 U4.3 | length 15.8
  Top Layer w0.2: U4.3 47.2,6.485 46.55,7.135 46.55,11.834 46.931,12.215 48.92,12.215 52.63,8.505 ; 52.63,8.505 53.28,7.855 IC1.6
VCC: D1.2 L2.1 | length 15.9
  Top Layer w1: L2.1 51.383,38.988 D1.2
VCC_3.3V: C6.1 C15.1 C24.2 C27.1 C30.1 C41.1 C42.1 D8.1 ESP1.1 IC1.1 IC2.1 L5.2 LED1.1 LED2.1 LED3.1 LED4.1 LED5.1 R1.2 R4.2 R7.2 R8.2 U3.2 Y1.4 | length 292.4
  Top Layer w0.2: v1(9.45,4.555) 8.415,3.52 8.415,1.02 7.15,-0.246 6.48,-0.246 4.8,-1.926 4.8,-5.434 6.811,-7.445 v1(8.45,-7.445) 16.419,-7.445 18.319,-9.345 21.189,-9.345 23.109,-7.425 25.3,-7.425 26.755,-5.97 IC2.1 27.675,-5.17
  Top Layer w1: C6.1 7.15,43.105 4.75,43.105 C24.2 4.65,40.85 5.26,40.24 7.065,40.24 ESP1.1 ; 27.675,-5.17 28.975,-5.17 30.35,-3.795 30.35,-2.745 C30.1 ; IC1.1 55.82,13.675 56.95,14.805 59.7,14.805 62.785,17.889 62.785,18.449 LED2.1 LED2.1@62.99,18.775 ; LED1.1@62.947,28.535 LED1.1 ; LED5.1@62.99,4.535 LED5.1
  Bottom Layer w0.2: v1(8.45,-7.445) 8.45,-3.045 R1.2 ; v1(9.45,4.555) 9.45,10.95 11.75,13.25 C27.1 ; D8.1 35.05,28.954 35.755,28.25 53.5,28.25 54.27,27.48 61.772,27.48 LED1.1 ; R7.2 41.55,-3.145 41.95,-3.545 42,-3.545 47.05,-8.595 63.47,-8.595 64.868,-7.197 64.868,-6.112 64.3,-5.545 LED4.1
  Bottom Layer w1: ESP1.1 8.7,38.605 ; R1.2@8.45,-3.045 11.35,-5.945 18.365,-5.945 19.2,-5.11 19.2,-3.951 19.175,-3.926 R8.2 ; C27.1 10.75,17.355 10.49,17.355 8.85,18.994 8.85,38.455 8.7,38.605 ; C41.1 C42.1 14.613,38.568 12.688,38.568 L5.2 8.7,38.605 ; R8.2@19.175,-2.926 19.225,-2.926 20.394,-4.095 29.561,-4.095 30,-3.656 30,-3.295 R4.2@30.35,-2.945 ; U3.2@24.45,10.407 24.45,16.355 28,16.355 28.6,16.955 28.6,23.316 27.911,24.005 27.25,24.005 Y1.4 ; R4.2 R4.2@30.35,-2.945 ; R7.2@41.55,-3.145 41.55,-3.809 40.965,-4.395 31.85,-4.395 30.4,-2.945 R4.2@30.35,-2.945 ; LED3.1 62.969,43.034 62.969,28.677 LED1.1 62.969,28.634 62.969,18.677 LED2.1 LED5.1 63.04,4.605 63.04,-5.495 LED4.1
  Bottom Layer w2: C27.1 C15.1 17.624,16.429 24.376,16.429 U3.2@24.45,16.355
VCC_5V: C1.2 C2.2 C3.2 C8.2 C10.2 C11.2 C16.1 C17.1 ESP1.16 L1.2 OK1.1 OK2.1 OK3.1 OK4.1 R2.2 R5.2 R9.2 R10.2 U1.1 U2.4 U3.3 | length 137.9
  Top Layer w1: v1(3.95,-6.945) 3.95,-1.475 ESP1.16 ; U1.1 38.55,19.49 38.7,19.64 38.7,22.769 38.115,23.355 38,23.355 37.915,23.44 37.915,24.12 43.715,24.12 U2.4
  Bottom Layer w1: OK1.1 3.95,-9.931 OK1.1@3.95,-9.181 ; v1(3.95,-6.945) OK1.1@3.95,-9.181 ; ESP1.16 15.135,1.89 16.75,3.505 C17.1 16.95,3.505 18.925,1.53 ; OK4.1 OK4.1@14.73,-9.201 ; U3.3 22.15,9.787 18.925,6.562 18.925,1.53 ; OK2.1 OK2.1@25.857,-9.332 ; C2.2 33.65,23.005 36.5,23.005 38.455,21.051 38.455,19.451 U1.1 ; OK3.1 OK3.1@36.917,-9.417 ; C10.2 41.316,-8.682 R9.2 37.652,-8.682 OK3.1@36.917,-9.417 ; C16.1 42.05,17.055 39.846,19.259 38.646,19.259 U1.1 ; OK1.1@3.95,-9.181 4.176,-8.955 4.926,-8.955 5.084,-8.797 R2.2 C3.2 10.244,-8.797 11.34,-7.701 13.23,-7.701 OK4.1@14.73,-9.201 ; OK4.1@14.73,-9.201 14.98,-8.951 15.73,-8.951 16.254,-8.427 R10.2 19.429,-8.427 19.429,-8.416 20.201,-7.645 24.17,-7.645 OK2.1@25.857,-9.332 ; 18.925,1.53 19.367,1.088 26.479,1.088 27.112,0.455 28.922,0.455 28.987,0.39 30.797,0.39 34.626,4.219 34.626,15.43 U1.1 ; OK2.1@25.857,-9.332 26.107,-9.082 26.32,-9.082 26.693,-8.709 R5.2 C8.2 30.302,-8.659 30.352,-8.659 31.094,-7.917 35.417,-7.917 OK3.1@36.917,-9.417
VCC_12V: C14.1 L2.2 U2.1 | length 20.3
  Top Layer w1: C14.1 41.831,34.845 43.75,32.926 ; U2.1 43.75,32.926 ; L2.2 52.321,32.926 43.75,32.926
VCC_ISO: C5.1 C7.2 C18.1 C31.2 IC1.8 IC2.8 R17.2 R23.1 U1.6 U4.14 U5.8 | length 68.8
  Top Layer w0.5: C31.2 21.55,-15.545 23.734,-13.361 24.351,-13.361 26.705,-11.007 26.705,-10.17 26.805,-10.07 26.805,-8.279 27.098,-7.986 34.037,-7.986 37.859,-4.164 37.859,-2.786 40.7,0.055 41.223,0.055 41.323,0.155 v1(41.35,0.155) ; v1(41.2,2.805) 41.219,2.824 41.219,3.899 41.266,3.945 U4.14 ; v1(53.95,5.305) 53.969,5.324 54.927,5.324 IC1.8@55.801,6.199 ; IC1.8@55.851,7.024 55.851,6.109 57.8,4.16 57.8,3.855 R17.2 58.05,3.555 58.65,2.955 58.757,2.955 59.4,2.312 59.4,-1.352 58.757,-1.995 58.55,-1.995 R23.1 55.89,-2.395 55.855,-2.36 U5.8
  Bottom Layer w0.5: U1.6 38.821,6.655 39.721,5.755 C18.1@41.45,5.755 ; v1(41.35,0.155) 41.35,2.628 41.2,2.778 v1(41.2,2.805) 41.181,2.824 41.181,3.524 C7.2 41.15,5.455 C18.1@41.45,5.755 ; v1(53.95,5.305) 46.243,5.305 45.4,5.305 C5.1 44.8,5.805 C18.1 C18.1@41.45,5.755
WIFI_EN: ESP1.15
X1A: L2.4 P12.2 | length 14.4
  Top Layer w0.5: L2.4 49.068,44.76 49.068,55.673 P12.2
X1B: D1.1 P12.1 | length 6.7
  Top Layer w0.5: D1.1 47.54,51.578 P12.1
X3A: BC09.2 F2.2 P01.2 | length 11.2
  Top Layer w1: BC09.2 47.173,-14.245 F2.2 44.7,-14.372 44.7,-17.605 47.44,-20.345 P01.2
X4A: P10.4 R12.1 | length 8
  Bottom Layer w0.5: R12.1 13.45,-15.045 18.55,-20.145 P10.4
X4F: BC09.1 F1.2 P01.1 | length 10.4
  Top Layer w1: BC09.1 50.673,-14.345 F1.2 52.973,-18.532 51.25,-20.255 P01.1
X5A: P10.5 R3.1 | length 14
  Bottom Layer w1: R3.1 3.25,-15.045 9.05,-20.845 P10.5
X6A: P10.3 R6.1 | length 6.8
  Bottom Layer w1: P10.3 22.36,-20.345 24.45,-18.255 R6.1
X7A: P10.2 R11.1 | length 12.1
  Bottom Layer w1: P10.2 26.17,-20.345 31.57,-14.945 R11.1
X11A: C20.2 D9.1 L3.2 P11.3 | length 10.9
  Top Layer w1: L3.2 C20.2 31.15,-15.145 33.3,-15.145 D9.1@33.65,-14.795 ; D9.1 D9.1@33.65,-14.795 ; P11.3 34.93,-16.457 33.65,-15.177 D9.1@33.65,-14.795
X11B: C23.1 D10.1 L4.2 P11.2 | length 10.9
  Top Layer w1: P11.2 38.74,-20.074 37.2,-18.534 37.2,-15.227 D10.1 39.918,-14.877 39.95,-14.845 C23.1 L4.2
pads on no net: AT1.1 AT1.2 ESP2.1 RJ1.7 RJ1.HM1 RJ1.HM2 RJ1.HM3 RJ1.HM4 U2.6 U4.8 U4.9 U6.7 U6.8 U6.9 U6.10 U7.1 U7.4 U7.@17.799,28.207 U7.@17.799,28.707 U7.@17.799,29.207 U7.@17.799,29.707 U7.@17.799,30.207 U7.@17.799,30.707 U7.@18.499,27.507 U7.@18.499,31.407 U7.@18.999,27.507 U7.@18.999,31.407 U7.@19.499,27.507 U7.@19.499,31.407 U7.@19.999,27.507 U7.@19.999,31.407 U7.@20.499,27.507 U7.@20.499,31.407 U7.@20.999,27.507 U7.@20.999,31.407 U7.@21.699,28.207 U7.@21.699,28.707 U7.@21.699,29.207 U7.@21.699,29.707 U7.@21.699,30.207 U7.@21.699,30.707 Y1.1

## Polygon pours and split planes (outlines as drawn)
GND on Bottom Layer "GND_L02_P000" (solid, pour order 0): -1,-25 67,-25 67,62 -1,62
GND_ISO on Top Layer "GND_ISO_L01_P001" (solid, pour order 1): -1,62 67,62 67,-25 -1,-25

## Silkscreen, mask and mechanical layers (free items; w line width, h text height)
Top Overlay:
  circle w0.2: c61.75,43.055 r2.5
  circle w0.2: c61.75,28.655 r2.5
  circle w0.2: c61.75,18.655 r2.5
  circle w0.2: c61.75,4.655 r2.5
  circle w0.2: c61.75,-5.345 r2.5
  lines w0.254: 35.55,62.055 38.55,62.055 ; -0.05,0.055 31.95,0.055 31.95,42.055 -0.05,42.055 -0.05,0.055
Drill Drawing:
  the board outline again, w0.254

## Text inside footprints (layer, text, board x,y; h text height)
C16: Top Overlay "+" at 41.625,18.03 h0.6